# Altium PCB miniBackplane.PcbDoc (part 19 of 24)
Units mil, origin at the board's own origin, x right, y up, seen from the top; angles counter-clockwise.
Board outline 17285.63 x 8582.68 mil, 6 copper layers (Top Layer, Mid-Layer 1, GND, PWR, Mid-Layer 2, Bottom Layer), stack 62.362 mil thick; 519 components, 474 nets, 2434 pads, 1493 vias.
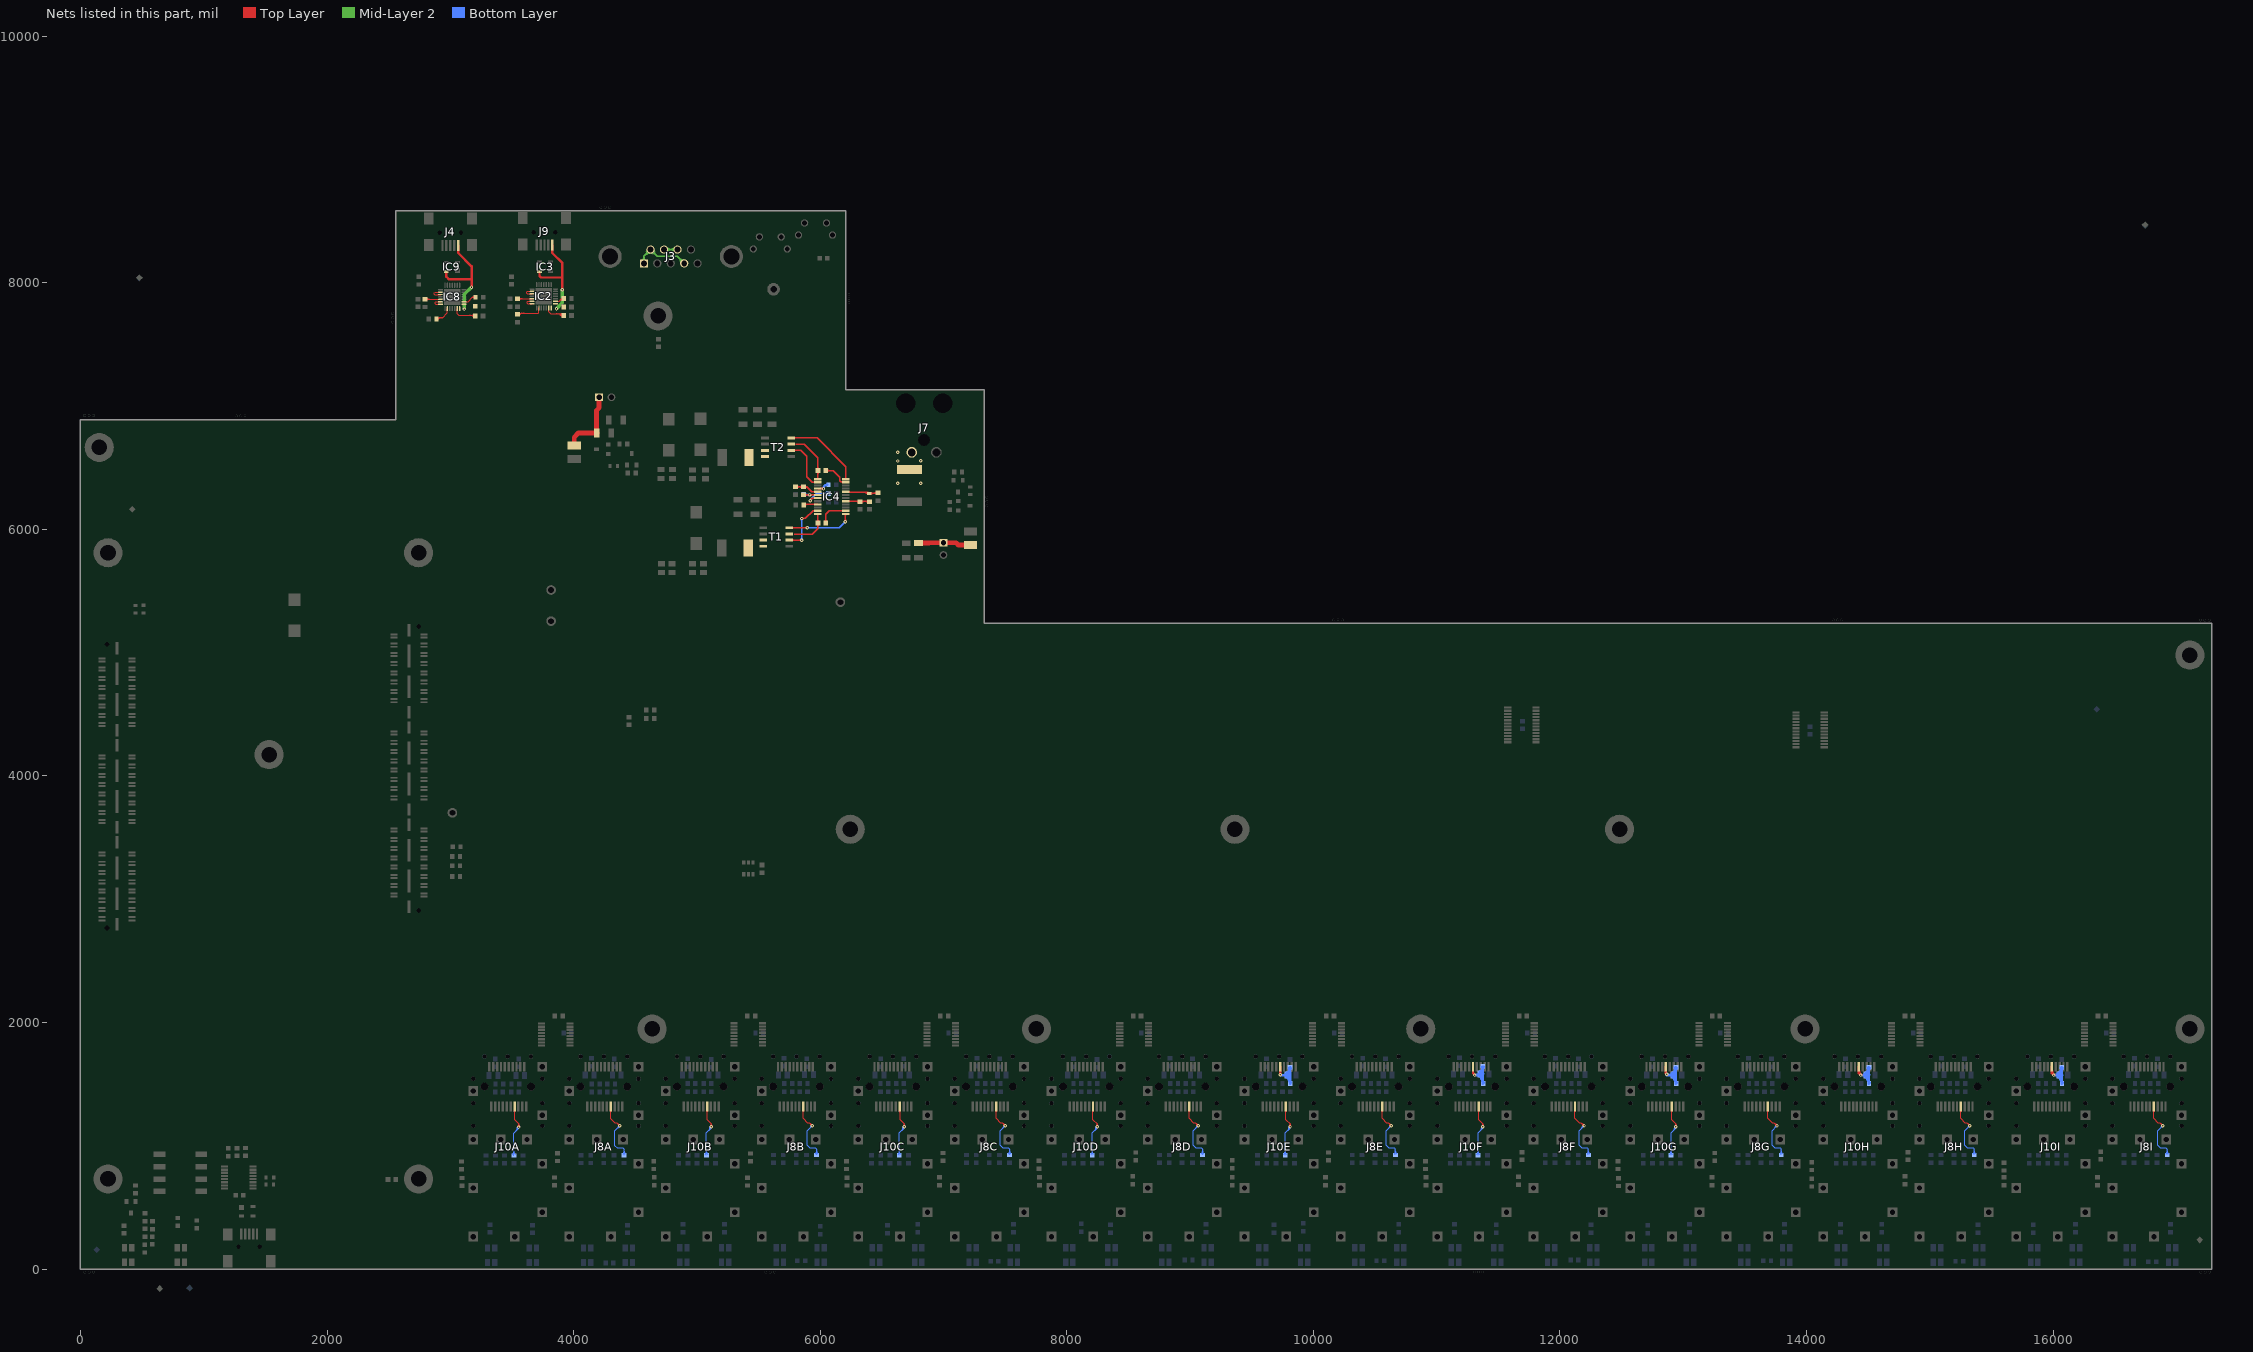
[diagram p23: the nets of this part, all layers, seen from the top]

## Via types
v1: diameter 27.56, hole 11.81, Top Layer to Bottom Layer, tented both sides, 1347 vias
v2: diameter 23.62, hole 11.81, Top Layer to Bottom Layer, tented both sides, 146 vias

## Nets (pads, with @x,y where several pads share a name; then routed paths per layer and width w, separated by ;. In a path a pad name is that pad's centre, name@x,y a point inside that pad or via, vN(x,y) a via of type N, cw(c..) or ccw(c..) an arc to the next point about the centre after c; other vN are vias at no path point) (continued)
NetC13E_1: C13E.1 C15E.2 J10E.15 L4E.1 | length 1124.5
  Top Layer w19.68: J10E.15@9730.39,1642.88 9730.39,1577.11 v1(9732.69,1574.81) ; 9730.39,1589.87 ccw(c9747.75,1589.87) 9735.48,1577.59 cw(c9747.75,1589.87) 9730.39,1589.87
  Bottom Layer w19.68: v1(9732.69,1574.81) 9733.88,1573.62 C15E.2@9799.63,1573.62 ; C15E.2@9797.88,1585.67 cw(c9818.06,1593.63) 9803.62,1609.82 ; C15E.2@9798,1564.27 ccw(c9829.48,1552.99) 9803.5,1531.94 ; C13E.1@9802.47,1632.7 cw(c9781.14,1620.38) 9804.93,1614 ; C13E.1@9806.12,1618.44 cw(c9823.64,1613.75) C13E.1@9814.57,1629.45 ; L4E.1@9811.13,1505.12 C13E.1@9811.13,1637.13 ; 9803.49,1529.45 ccw(c9830.59,1536.71) L4E.1@9816.56,1512.41 ; 9803.49,1529.45 ccw(c9830.59,1536.71) L4E.1@9816.56,1512.41 ; 9803.49,1529.45 ccw(c9830.59,1536.71) L4E.1@9816.56,1512.41 ; 9811.13,1615.74 ccw(c9789.74,1615.74) 9804.86,1630.86 cw(c9789.74,1615.74) 9811.13,1615.74 ; 9811.13,1615.74 cw(c9832.51,1615.74) 9817.39,1630.86 ccw(c9832.51,1615.74) 9811.13,1615.74 ; 9758.8,1573.62 ccw(c9758.8,1603.82) 9780.16,1582.47 cw(c9758.8,1603.82) 9758.8,1573.62 ; 9764.54,1573.62 cw(c9764.54,1551.54) 9780.16,1567.16 ccw(c9764.54,1551.54) 9764.54,1573.62 ; C15E.2@9781.45,1559.16 cw(c9739.16,1500.93) 9811.13,1500.93 ccw(c9739.16,1500.93) C15E.2@9781.45,1559.16 ; C15E.2@9782.94,1591.37 ccw(c9759.9,1637.12) C13E.1@9811.13,1637.13 cw(c9759.9,1637.12) C15E.2@9782.94,1591.37 ; C15E.2@9791.8,1573.79 ccw(c9775.99,1605.17) 9811.13,1605.17 cw(c9775.99,1605.17) C15E.2@9791.8,1573.79 ; C15E.2@9793.02,1575.09 cw(c9767.21,1539.56) 9811.13,1539.56 ccw(c9767.21,1539.56) C15E.2@9793.02,1575.09 ; C15E.2@9800.65,1556.21 ccw(c9792.09,1573.21) 9811.13,1573.21 cw(c9792.09,1573.21) C15E.2@9800.65,1556.21 ; C15E.2@9804.58,1591.02 cw(c9795.26,1578.18) 9811.13,1578.18 ccw(c9795.26,1578.18) C15E.2@9804.58,1591.02 ; 9811.13,1528.21 ccw(c9835.24,1528.21) 9818.19,1511.16 cw(c9835.24,1528.21) 9811.13,1528.21
NetC13F_1: C13F.1 C15F.2 J10F.15 L4F.1 | length 1112.9
  Top Layer w19.68: J10F.15@11294.96,1642.88 11294.96,1589.35 v1(11310.69,1573.62)
  Bottom Layer w19.68: v1(11310.69,1573.62) C15F.2@11364.2,1573.62 ; C15F.2@11354.93,1566.96 ccw(c11353.17,1592.02) 11377.44,1585.52 ; C15F.2@11364.22,1593.93 cw(c11379.49,1600.63) 11369.51,1613.99 ; C15F.2@11364.53,1572.24 ccw(c11407.9,1557.15) 11369.02,1532.72 ; C13F.1@11367.72,1638.57 cw(c11360.06,1628.3) 11372.44,1624.98 ; L4F.1@11375.69,1505.12 C13F.1@11375.69,1637.13 ; v1@11312.66,1577.03 ccw(c11322.82,1594.62) 11328.07,1575 ; v1@11312.66,1577.03 ccw(c11322.82,1594.62) 11328.07,1575 ; v1@11312.66,1577.03 ccw(c11322.82,1594.62) 11328.07,1575 ; 11368.47,1528.9 ccw(c11394.7,1535.93) L4F.1@11381.13,1512.41 ; 11368.47,1528.9 ccw(c11394.7,1535.93) L4F.1@11381.13,1512.41 ; 11368.47,1528.9 ccw(c11394.7,1535.93) L4F.1@11381.13,1512.41 ; v1@11322.92,1573.62 ccw(c11322.92,1607.18) 11346.65,1583.45 cw(c11322.92,1607.18) v1@11322.92,1573.62 ; 11333.42,1573.62 cw(c11333.42,1554.9) 11346.65,1568.14 ccw(c11333.42,1554.9) 11333.42,1573.62 ; C15F.2@11346.94,1567.86 cw(c11285.79,1501.96) 11375.69,1501.96 ccw(c11285.79,1501.96) C15F.2@11346.94,1567.86 ; C15F.2@11350.29,1599.63 ccw(c11335.32,1637.12) 11375.69,1637.12 cw(c11335.32,1637.12) C15F.2@11350.29,1599.63 ; C15F.2@11357.59,1581.35 ccw(c11346.92,1608.07) 11375.69,1608.07 cw(c11346.92,1608.07) C15F.2@11357.59,1581.35 ; C15F.2@11360.33,1582.29 cw(c11327.66,1547.08) 11375.69,1547.08 ccw(c11327.66,1547.08) C15F.2@11360.33,1582.29 ; C15F.2@11364.89,1563.07 ccw(c11358.53,1579.01) 11375.69,1579.01 cw(c11358.53,1579.01) C15F.2@11364.89,1563.07 ; C13F.1@11368.71,1639.41 cw(c11351.86,1622.56) 11375.69,1622.56 ccw(c11351.86,1622.56) C13F.1@11368.71,1639.41 ; C15F.2@11373.72,1596.72 cw(c11369.53,1592.2) 11375.69,1592.2 ccw(c11369.53,1592.2) C15F.2@11373.72,1596.72 ; 11375.69,1528.21 ccw(c11399.81,1528.21) 11382.76,1511.16 cw(c11399.81,1528.21) 11375.69,1528.21 ; 11375.69,1626.02 cw(c11394.63,1626.02) 11381.24,1639.41 ccw(c11394.63,1626.02) 11375.69,1626.02
NetC13G_1: C13G.1 C15G.2 J10G.15 L4G.1 | length 1162.2
  Top Layer w19.68: J10G.15@12859.96,1642.88 12859.96,1589.35 v1(12867.83,1581.49)
  Bottom Layer w19.68: v1@12867.83,1573.62 C15G.2@12929.2,1573.62 ; v1@12869,1577.73 cw(c12874.99,1558.6) 12885.01,1575.96 ; C15G.2@12927.38,1585.65 cw(c12947.59,1593.56) 12933.18,1609.79 ; C15G.2@12927.5,1564.29 ccw(c12959,1553.06) 12933.05,1531.96 ; C13G.1@12932.04,1632.7 cw(c12910.7,1620.38) 12934.5,1614 ; C13G.1@12935.69,1618.44 cw(c12953.21,1613.75) C13G.1@12944.14,1629.45 ; L4G.1@12940.69,1505.12 C13G.1@12940.69,1637.13 ; 12933.04,1529.46 ccw(c12960.17,1536.73) L4G.1@12946.13,1512.41 ; 12933.04,1529.46 ccw(c12960.17,1536.73) L4G.1@12946.13,1512.41 ; 12933.04,1529.46 ccw(c12960.17,1536.73) L4G.1@12946.13,1512.41 ; 12940.69,1615.74 ccw(c12919.31,1615.74) 12934.43,1630.86 cw(c12919.31,1615.74) 12940.69,1615.74 ; 12940.69,1615.74 cw(c12962.08,1615.74) 12946.96,1630.86 ccw(c12962.08,1615.74) 12940.69,1615.74 ; v1@12870.61,1584.27 ccw(c12896.32,1609.98) 12896.32,1573.62 cw(c12896.32,1609.98) v1@12870.61,1584.27 ; 12888.29,1573.62 ccw(c12888.29,1603.82) 12909.64,1582.47 cw(c12888.29,1603.82) 12888.29,1573.62 ; 12894.03,1573.62 cw(c12894.03,1551.54) 12909.64,1567.16 ccw(c12894.03,1551.54) 12894.03,1573.62 ; C15G.2@12910.95,1559.15 cw(c12868.79,1500.91) 12940.69,1500.91 ccw(c12868.79,1500.91) C15G.2@12910.95,1559.15 ; C15G.2@12912.45,1591.38 ccw(c12889.53,1637.12) C13G.1@12940.69,1637.13 cw(c12889.53,1637.12) C15G.2@12912.45,1591.38 ; C15G.2@12921.27,1573.78 ccw(c12905.5,1605.24) 12940.69,1605.24 cw(c12905.5,1605.24) C15G.2@12921.27,1573.78 ; C15G.2@12922.49,1575.1 cw(c12896.69,1539.46) 12940.69,1539.46 ccw(c12896.69,1539.46) C15G.2@12922.49,1575.1 ; C15G.2@12930.09,1556.18 ccw(c12921.48,1573.36) 12940.69,1573.36 cw(c12921.48,1573.36) C15G.2@12930.09,1556.18 ; C15G.2@12934.04,1591.04 cw(c12924.6,1578.01) 12940.69,1578.01 ccw(c12924.6,1578.01) C15G.2@12934.04,1591.04 ; 12940.69,1528.21 ccw(c12964.81,1528.21) 12947.76,1511.16 cw(c12964.81,1528.21) 12940.69,1528.21
NetC13H_1: C13H.1 C15H.2 J10H.15 L4H.1 | length 1179.2
  Top Layer w19.68: J10H.15@14424.96,1642.88 14424.96,1589.35 v1(14440.69,1573.62) ; J10H.15@14424.96,1621.11 ccw(c14488.18,1621.11) 14443.48,1576.41 cw(c14488.18,1621.11) J10H.15@14424.96,1621.11
  Bottom Layer w19.68: v1(14440.69,1573.62) C15H.2@14494.2,1573.62 ; C15H.2@14484.58,1559.07 ccw(c14483.58,1584.21) 14507.88,1577.7 ; C15H.2@14494.07,1586.22 cw(c14513.55,1595.16) 14498.51,1610.44 ; C15H.2@14494.28,1563.89 ccw(c14525.28,1551.45) 14498.56,1531.4 ; C13H.1@14497.04,1632.7 cw(c14475.7,1620.38) 14499.5,1614 ; C13H.1@14500.69,1618.44 cw(c14518.21,1613.75) C13H.1@14509.14,1629.45 ; L4H.1@14505.69,1505.12 C13H.1@14505.69,1637.13 ; 14498.31,1529.11 ccw(c14524.88,1536.23) L4H.1@14511.13,1512.41 ; 14498.31,1529.11 ccw(c14524.88,1536.23) L4H.1@14511.13,1512.41 ; 14498.31,1529.11 ccw(c14524.88,1536.23) L4H.1@14511.13,1512.41 ; 14505.69,1615.74 ccw(c14484.31,1615.74) 14499.43,1630.86 cw(c14484.31,1615.74) 14505.69,1615.74 ; 14505.69,1615.74 cw(c14527.08,1615.74) 14511.96,1630.86 ccw(c14527.08,1615.74) 14505.69,1615.74 ; 14455.22,1573.62 ccw(c14455.22,1603.82) 14476.57,1582.47 cw(c14455.22,1603.82) 14455.22,1573.62 ; 14460.96,1573.62 cw(c14460.96,1551.54) 14476.57,1567.16 ccw(c14460.96,1551.54) 14460.96,1573.62 ; C15H.2@14477.55,1559.4 cw(c14432.17,1501.55) 14505.69,1501.55 ccw(c14432.17,1501.55) C15H.2@14477.55,1559.4 ; C15H.2@14478.89,1591.12 ccw(c14452.81,1637.12) C13H.1@14505.69,1637.13 cw(c14452.81,1637.12) C15H.2@14478.89,1591.12 ; C15H.2@14488.6,1573.99 ccw(c14471.96,1603.34) 14505.69,1603.34 cw(c14471.96,1603.34) C15H.2@14488.6,1573.99 ; C15H.2@14489.7,1574.89 cw(c14463.91,1542.01) 14505.69,1542.01 ccw(c14463.91,1542.01) C15H.2@14489.7,1574.89 ; C15H.2@14498.3,1556.87 ccw(c14491.12,1569.55) 14505.69,1569.55 cw(c14491.12,1569.55) C15H.2@14498.3,1556.87 ; C15H.2@14501.84,1590.38 cw(c14495.64,1582.47) 14505.69,1582.47 ccw(c14495.64,1582.47) C15H.2@14501.84,1590.38 ; 14505.69,1528.21 ccw(c14529.81,1528.21) 14512.76,1511.16 cw(c14529.81,1528.21) 14505.69,1528.21
NetC13I_1: C13I.1 C15I.2 J10I.15 L4I.1 | length 1253.3
  Top Layer w19.68: J10I.15@15989.96,1642.88 15989.96,1589.35 v1(16005.69,1573.62) ; J10I.15@15989.96,1621.11 ccw(c16053.18,1621.11) 16008.48,1576.41 cw(c16053.18,1621.11) J10I.15@15989.96,1621.11
  Bottom Layer w19.68: v1(16005.69,1573.62) C15I.2@16059.2,1573.62 ; C15I.2@16048.72,1590.55 cw(c16047.39,1563.83) 16073.23,1570.75 ; C15I.2@16058.24,1585.94 cw(c16078.07,1594.39) 16063.35,1610.12 ; C15I.2@16058.41,1564.08 ccw(c16089.63,1552.24) 16063.31,1531.69 ; C13I.1@16062.04,1632.7 cw(c16040.7,1620.38) 16064.5,1614 ; C13I.1@16065.69,1618.44 cw(c16083.21,1613.75) C13I.1@16074.14,1629.45 ; L4I.1@16070.69,1505.12 C13I.1@16070.69,1637.13 ; v1@16007.66,1577.03 ccw(c16018.41,1595.66) 16023.98,1574.88 ; v1@16007.66,1577.03 ccw(c16018.41,1595.66) 16023.98,1574.88 ; v1@16007.66,1577.03 ccw(c16018.41,1595.66) 16023.98,1574.88 ; 16063.18,1529.28 ccw(c16090.02,1536.47) L4I.1@16076.13,1512.41 ; 16063.18,1529.28 ccw(c16090.02,1536.47) L4I.1@16076.13,1512.41 ; 16063.18,1529.28 ccw(c16090.02,1536.47) L4I.1@16076.13,1512.41 ; 16070.69,1615.74 ccw(c16049.31,1615.74) 16064.43,1630.86 cw(c16049.31,1615.74) 16070.69,1615.74 ; 16070.69,1615.74 cw(c16092.08,1615.74) 16076.96,1630.86 ccw(c16092.08,1615.74) 16070.69,1615.74 ; v1@16019.27,1573.62 ccw(c16019.27,1603.82) 16040.63,1582.47 cw(c16019.27,1603.82) v1@16019.27,1573.62 ; 16025.02,1573.62 cw(c16025.02,1551.54) 16040.63,1567.16 ccw(c16025.02,1551.54) 16025.02,1573.62 ; C15I.2@16041.77,1559.28 cw(c15998.02,1501.24) 16070.69,1501.24 ccw(c15998.02,1501.24) C15I.2@16041.77,1559.28 ; C15I.2@16043.18,1591.25 ccw(c16018.69,1637.12) C13I.1@16070.69,1637.13 cw(c16018.69,1637.12) C15I.2@16043.18,1591.25 ; C15I.2@16052.46,1573.89 ccw(c16036.22,1604.3) 16070.69,1604.3 cw(c16036.22,1604.3) C15I.2@16052.46,1573.89 ; C15I.2@16053.62,1574.99 cw(c16027.79,1540.73) 16070.69,1540.73 ccw(c16027.79,1540.73) C15I.2@16053.62,1574.99 ; C15I.2@16061.73,1556.52 ccw(c16053.74,1571.47) 16070.69,1571.47 cw(c16053.74,1571.47) C15I.2@16061.73,1556.52 ; C15I.2@16065.47,1590.71 cw(c16057.56,1580.23) 16070.69,1580.23 ccw(c16057.56,1580.23) C15I.2@16065.47,1590.71 ; 16070.69,1528.21 ccw(c16094.81,1528.21) 16077.76,1511.16 cw(c16094.81,1528.21) 16070.69,1528.21
NetC16_2: C16.2 IC2.7 IC2.8 IC3.4 J9.1 | length 797.3
  Top Layer w19.68: IC3.4@3723.39,8092.46 3723.39,8054.4 3735.42,8042.37 3908.65,8042.37 ; J9.1@3826.85,8305.92 3826.85,8242.28 3908.65,8160.48 3908.65,8042.37 ; v1(3908.65,7943.94) 3908.65,8042.37
  Mid-Layer 2 w27.56: v1(3861.4,7790.4) 3908.65,7837.65 v1(3908.65,7943.94)
NetC17_1: C17.1 IC2.6 | length 515.1
  Top Layer w7.87: IC2.6@3798.03,7795.37 3798.03,7763.22 3814.16,7747.09 3908.65,7747.09 C17.1@3920.46,7735.28 ; 3886.89,7739.86 ccw(c3895.1,7753.4) C17.1@3908.22,7744.53 ; 3893.96,7735.57 ccw(c3901.96,7748.76) C17.1@3914.75,7740.12 ; 3894.89,7743.35 ccw(c3900.56,7753.17) C17.1@3909.21,7745.83 ; 3900.18,7740.29 cw(c3893.71,7729.1) C17.1@3906.2,7732.45 ; 3901.03,7731.28 ccw(c3908.82,7744.13) C17.1@3921.27,7735.72 ; 3858.68,7747.09 cw(c3858.68,7674.49) 3910.02,7725.83 ccw(c3858.68,7674.49) 3858.68,7747.09 ; 3877.68,7747.09 cw(c3877.68,7693.5) 3915.58,7731.4 ccw(c3877.68,7693.5) 3877.68,7747.09 ; 3896.69,7747.09 cw(c3896.69,7712.51) 3921.15,7736.96 ccw(c3896.69,7712.51) 3896.69,7747.09
NetC25_1: C25.1 IC4.24 L5.1 T1.3 T1.7 T1.8 | length 524.3
  Top Layer w11.81: 5788.88,5960.91 5937.24,5960.91 5979.65,6003.33 IC4.24@5979.65,6125.19 ; C25.1@5973.28,6040.91 cw(c5957.9,6025.53) 5979.65,6025.53 ccw(c5957.9,6025.53) C25.1@5973.28,6040.91 ; C25.1@5973.28,6060.97 ccw(c5957.9,6076.35) 5979.65,6076.35 cw(c5957.9,6076.35) C25.1@5973.28,6060.97 ; 5979.65,6012.6 cw(c6019.68,6012.6) 5991.38,6040.91 ccw(c6019.68,6012.6) 5979.65,6012.6 ; 5979.65,6089.27 ccw(c6019.68,6089.27) 5991.38,6060.97 cw(c6019.68,6089.27) 5979.65,6089.27
NetC25_2: C25.2 IC4.2 | length 343.9
  Top Layer w11.81: C25.2@6045.32,6050.94 6045.32,6124 6072.1,6150.78 IC4.2@6208,6150.78 ; 6045.32,6082.81 ccw(c6076.21,6082.81) 6054.37,6060.97 cw(c6076.21,6082.81) 6045.32,6082.81 ; 6045.32,6082.81 cw(c6014.43,6082.81) 6036.28,6060.97 ccw(c6014.43,6082.81) 6045.32,6082.81
NetC31_1: C31.1 IC4.19 | length 426.2
  Top Layer w11.81: v1@5919.2,6237.87 5934.46,6253.14 ; IC4.19@5979.65,6253.14 5934.46,6253.14 ; 5934.46,6253.14 ccw(c5952.49,6235.11) 5927.05,6233.4 cw(c5952.49,6235.11) 5934.46,6253.14
  Bottom Layer w11.81: v1@5919.2,6237.87 5972.26,6290.94 C31.1@6067.33,6290.94 ; 6036.44,6290.94 ccw(c6036.44,6321.83) 6058.28,6299.98 cw(c6036.44,6321.83) 6036.44,6290.94 ; 6036.44,6290.94 cw(c6036.44,6260.05) 6058.28,6281.89 ccw(c6036.44,6260.05) 6036.44,6290.94 ; v1@5927.07,6232.87 cw(c5958.15,6232.87) 5936.17,6254.85 ccw(c5958.15,6232.87) v1@5927.07,6232.87
  other v1: 5919.2,6232.87
NetC33_2: C33.2 IC4.18 R39.1 | length 591.2
  Top Layer w11.81: R39.1@5866.84,6278.73 v1(5915.06,6278.73) IC4.18@5979.65,6278.73 ; 5896.05,6278.73 ccw(c5896.05,6297.74) 5909.49,6284.3 cw(c5896.05,6297.74) 5896.05,6278.73 ; 5896.05,6278.73 cw(c5896.05,6259.72) 5909.49,6273.16 ccw(c5896.05,6259.72) 5896.05,6278.73 ; 5934.06,6278.73 ccw(c5934.06,6259.72) 5920.62,6273.16 cw(c5934.06,6259.72) 5934.06,6278.73 ; 5934.06,6278.73 cw(c5934.06,6297.74) 5920.62,6284.3 ccw(c5934.06,6297.74) 5934.06,6278.73 ; R39.1@5874.52,6273.03 cw(c5888.29,6259.25) 5888.29,6278.73 ccw(c5888.29,6259.25) R39.1@5874.52,6273.03 ; R39.1@5874.52,6289.73 ccw(c5901.07,6316.28) 5901.07,6278.73 cw(c5901.07,6316.28) R39.1@5874.52,6289.73
  Bottom Layer w11.81: C33.2@5869.83,6278.73 v1(5915.06,6278.73) ; 5889.42,6282.69 ccw(c5896.82,6310.32) v1@5911.12,6285.55 ; 5889.42,6282.69 ccw(c5896.82,6310.32) v1@5911.12,6285.55 ; 5889.42,6282.69 ccw(c5896.82,6310.32) v1@5911.12,6285.55 ; 5896.05,6278.73 ccw(c5896.05,6297.74) 5909.49,6284.3 cw(c5896.05,6297.74) 5896.05,6278.73 ; 5896.05,6278.73 cw(c5896.05,6259.72) 5909.49,6273.16 ccw(c5896.05,6259.72) 5896.05,6278.73 ; C33.2@5874.74,6272.84 cw(c5888.96,6258.62) 5888.96,6278.73 ccw(c5888.96,6258.62) C33.2@5874.74,6272.84 ; C33.2@5874.74,6290.94 ccw(c5904.21,6320.4) 5904.21,6278.73 cw(c5904.21,6320.4) C33.2@5874.74,6290.94
NetC38_1: C38.1 IC4.13 L6.1 T2.3 T2.7 T2.8 | length 590.2
  Top Layer w11.81: 5803.51,6689.26 5872.81,6689.26 5979.65,6582.42 IC4.13@5979.65,6406.68 ; C38.1@5973.28,6465.91 cw(c5957.9,6450.53) 5979.65,6450.53 ccw(c5957.9,6450.53) C38.1@5973.28,6465.91 ; C38.1@5973.28,6485.97 ccw(c5957.9,6501.35) 5979.65,6501.35 cw(c5957.9,6501.35) C38.1@5973.28,6485.97 ; 5979.65,6437.6 cw(c6019.68,6437.6) 5991.38,6465.91 ccw(c6019.68,6437.6) 5979.65,6437.6 ; 5979.65,6514.27 ccw(c6019.68,6514.27) 5991.38,6485.97 cw(c6019.68,6514.27) 5979.65,6514.27
NetC38_2: C38.2 IC4.11 | length 339.4
  Top Layer w11.81: C38.2@6045.32,6475.94 6106.13,6475.94 6159.2,6422.87 6159.2,6392.87 6168.02,6384.05 IC4.11@6205.05,6384.05 ; 6076.21,6475.94 ccw(c6076.21,6445.05) 6054.37,6466.89 cw(c6076.21,6445.05) 6076.21,6475.94 ; 6076.21,6475.94 cw(c6076.21,6506.83) 6054.37,6484.98 ccw(c6076.21,6506.83) 6076.21,6475.94 ; 6173.07,6384.05 cw(c6173.07,6366.84) 6185.24,6379.01 ccw(c6173.07,6366.84) 6173.07,6384.05
NetC43_1: C43.1 J11.1 R62.2 | length 430.2
  Top Layer w39.37: C43.1@6798,5889.06 6882.06,5889.06 6884.59,5891.59 J11.1@7000,5891.59 7102.41,5891.59 7122.12,5871.88 R62.2@7219,5871.88
NetC45_1: C45.1 J5.1 R63.2 | length 564.6
  Top Layer w39.37: R63.2@4005,6680.12 4005,6747 4040,6782 C45.1@4188.94,6782 4186.76,6784.19 4186.76,6965.76 4207,6986 J5.1@4207,7072
NetC56_2: C56.2 IC8.7 IC8.8 IC9.4 J4.1 | length 843
  Top Layer w7.87: v1(3172,7965) v1@3173,7966
  Top Layer w19.68: IC9.4@2966.72,8091.6 2966.72,8049.28 2989,8027 3173,8027 ; J4.1@3062.99,8301.92 3062.99,8243.01 3173,8133 3173,8027 ; v1@3173,7966 3173,8027
  Mid-Layer 2 w27.56: v1(3114.43,7786.57) 3114.43,7907.43 v1(3172,7965)
NetC57_1: C57.1 IC8.6 | length 358
  Top Layer w7.87: IC8.6@3055.37,7790.51 3055.37,7747.63 3068,7735 3198.5,7735 C57.1@3203.5,7740 ; 3157.17,7735 cw(c3157.17,7685.65) 3192.06,7720.54 ccw(c3157.17,7685.65) 3157.17,7735 ; 3176.18,7735 cw(c3176.18,7704.66) 3197.63,7726.11 ccw(c3176.18,7704.66) 3176.18,7735 ; 3176.56,7735 ccw(c3176.56,7756.93) 3192.06,7741.42 cw(c3176.56,7756.93) 3176.56,7735
NetD1_2: D1.2 J7.1 | length 67.9
  Top Layer w39.37: D1.2@6724.08,6496.35 D1.2@6791.95,6496.35
  other v1: 6629.08,6373.94 6814.68,6374.3 6629.08,6553.94 6814.68,6555.4 6629.08,6623.94
NetIC2_2: IC2.2 R32.1 | length 383.9
  Top Layer w7.87: R32.1@3554.31,7751.03 3711.8,7751.03 3719.29,7758.53 IC2.2@3719.29,7795.37 ; R32.1@3560.33,7750.08 ccw(c3565.3,7752.96) 3568.18,7747.98 ; R32.1@3561.72,7739.59 cw(c3575.04,7736.02) 3568.15,7747.97 ; R32.1@3552.59,7738.98 cw(c3581.68,7709.89) 3581.68,7751.03 ccw(c3581.68,7709.89) R32.1@3552.59,7738.98 ; R32.1@3558.15,7733.41 cw(c3600.69,7690.88) 3600.69,7751.03 ccw(c3600.69,7690.88) R32.1@3558.15,7733.41
NetIC2_9: IC2.9 R31.2 | length 312.8
  Top Layer w7.87: IC2.9@3853.15,7850.49 3882.12,7850.49 ; R31.2@3904.74,7858.55 ccw(c3906.76,7875.02) R31.2@3922.35,7869.36 ; R31.2@3920.46,7869.14 3900.77,7869.14 ; 3882.12,7850.49 cw(c3903.84,7828.76) 3915.35,7857.25 ccw(c3903.84,7828.76) 3882.12,7850.49 ; 3882.12,7850.49 3900.77,7869.14 ; 3900.77,7869.14 ccw(c3900.77,7875.97) 3907.31,7874 cw(c3900.77,7875.97) 3900.77,7869.14 ; 3900.77,7869.14 cw(c3900.77,7861.37) 3907.89,7864.49 ccw(c3900.77,7861.37) 3900.77,7869.14 ; 3890.53,7858.9 cw(c3908.68,7840.75) 3918.29,7864.56 ccw(c3908.68,7840.75) 3890.53,7858.9 ; 3898.95,7867.32 cw(c3913.52,7852.74) 3921.24,7871.86 ccw(c3913.52,7852.74) 3898.95,7867.32
NetIC2_23: IC2.23 IC2.24 | length 104.6
  Top Layer w7.87: IC2.24@3663.86,7909.86 3623.66,7909.86 3618.66,7914.86 3618.66,7924.86 3623.03,7929.23 IC2.23@3664.17,7929.23
NetIC2_26: IC2.26 R33.1 | length 222.2
  Top Layer w7.87: R33.1@3546.44,7870.17 IC2.26@3664.17,7870.17 ; R33.1@3558.15,7859.4 cw(c3584.17,7833.38) 3584.17,7870.17 ccw(c3584.17,7833.38) R33.1@3558.15,7859.4 ; R33.1@3558.15,7878.89 ccw(c3579.19,7899.92) 3579.19,7870.17 cw(c3579.19,7899.92) R33.1@3558.15,7878.89
NetIC2_27: IC2.27 IC2.28 | length 107
  Top Layer w7.87: IC2.28@3663.23,7829.86 3628.66,7829.86 3623.66,7834.86 3623.66,7844.86 3629.29,7850.49 IC2.27@3664.17,7850.49 ; 3642.38,7829.86 ccw(c3642.38,7837.84) 3648.02,7832.2 cw(c3642.38,7837.84) 3642.38,7829.86
NetIC4_1: IC4.1 T1.4 | length 856.7
  Top Layer w11.81: T1.4@5750.5,6012.87 v1(5894.2,6012.87) ; v1(6204.2,6062.87) IC4.1@6204.2,6121.39 ; IC4.1@6205.52,6123.59 cw(c6198.98,6119.4) 6205.71,6115.51 ; 5783.45,6012.87 ccw(c5783.45,5998.62) 5773.37,6008.7 cw(c5783.45,5998.62) 5783.45,6012.87 ; 5783.45,6012.87 cw(c5783.45,6027.13) 5773.37,6017.05 ccw(c5783.45,6027.13) 5783.45,6012.87 ; 5875.19,6012.87 ccw(c5875.19,6031.88) 5888.63,6018.44 cw(c5875.19,6031.88) 5875.19,6012.87 ; 5875.19,6012.87 cw(c5875.19,5993.86) 5888.63,6007.31 ccw(c5875.19,5993.86) 5875.19,6012.87 ; 6204.2,6081.88 ccw(c6223.21,6081.88) 6209.76,6068.44 cw(c6223.21,6081.88) 6204.2,6081.88 ; 6204.2,6081.88 cw(c6185.19,6081.88) 6198.63,6068.44 ccw(c6185.19,6081.88) 6204.2,6081.88 ; 6204.2,6108.88 cw(c6224.31,6108.88) 6210.09,6123.1 ccw(c6224.31,6108.88) 6204.2,6108.88
  Bottom Layer w11.81: v1(5894.2,6012.87) 6154.2,6012.87 v1(6204.2,6062.87) ; 5913.21,6012.87 ccw(c5913.21,5993.86) 5899.76,6007.31 cw(c5913.21,5993.86) 5913.21,6012.87 ; 5913.21,6012.87 cw(c5913.21,6031.88) 5899.76,6018.44 ccw(c5913.21,6031.88) 5913.21,6012.87 ; 6190.76,6049.43 ccw(c6177.31,6062.87) 6196.32,6062.87 cw(c6177.31,6062.87) 6190.76,6049.43 ; 6190.76,6049.43 cw(c6204.2,6035.99) 6204.2,6055 ccw(c6204.2,6035.99) 6190.76,6049.43
NetIC4_5: IC4.5 R35.1 R36.1 | length 449.4
  Top Layer w11.81: IC4.5@6208,6227.55 R35.1@6388.71,6227.55 ; 6286.03,6227.55 cw(c6286.03,6188.18) 6313.88,6216.02 ccw(c6286.03,6188.18) 6286.03,6227.55 ; 6301.39,6227.55 ccw(c6301.39,6245.2) 6313.88,6232.72 cw(c6301.39,6245.2) 6301.39,6227.55 ; R36.1@6334.52,6216.02 cw(c6362.36,6188.18) 6362.36,6227.55 ccw(c6362.36,6188.18) R36.1@6334.52,6216.02 ; R36.1@6334.52,6232.72 ccw(c6347,6245.2) 6347,6227.55 cw(c6347,6245.2) R36.1@6334.52,6232.72 ; 6361.03,6227.55 cw(c6361.03,6188.18) 6388.88,6216.02 ccw(c6361.03,6188.18) 6361.03,6227.55 ; 6376.39,6227.55 ccw(c6376.39,6245.2) 6388.88,6232.72 cw(c6376.39,6245.2) 6376.39,6227.55
NetIC4_8: IC4.8 R38.2 R40.2 | length 907.2
  Top Layer w7.87: R38.2@6401.3,6291.62 R40.2@6468.23,6291.62 ; R38.2@6407.1,6296.11 ccw(c6417.83,6308.69) 6422.11,6292.72 ; R38.2@6407.1,6296.11 ccw(c6417.83,6308.69) 6422.11,6292.72 ; R38.2@6407.1,6296.11 ccw(c6417.83,6308.69) 6422.11,6292.72 ; R38.2@6412.21,6302.1 ccw(c6429.63,6322.52) 6436.57,6296.6 ; R38.2@6412.21,6302.1 ccw(c6429.63,6322.52) 6436.57,6296.6 ; R38.2@6412.21,6302.1 ccw(c6429.63,6322.52) 6436.57,6296.6 ; 6415.2,6284.73 cw(c6432.74,6274.61) 6427.5,6294.17 ; 6415.2,6284.73 cw(c6432.74,6274.61) 6427.5,6294.17 ; 6415.2,6284.73 cw(c6432.74,6274.61) 6427.5,6294.17 ; 6436.53,6291.62 ccw(c6436.53,6258.36) 6413.01,6281.88 cw(c6436.53,6258.36) 6436.53,6291.62 ; 6436.53,6291.62 cw(c6436.53,6324.89) 6413.01,6301.37 ccw(c6436.53,6324.89) 6436.53,6291.62 ; 6418,6291.62 ccw(c6418,6341.53) 6453.29,6306.24 cw(c6418,6341.53) 6418,6291.62 ; 6437.01,6291.62 ccw(c6437.01,6322.52) 6458.86,6300.67 cw(c6437.01,6322.52) 6437.01,6291.62 ; 6441.53,6291.62 cw(c6441.53,6275) 6453.29,6286.75 ccw(c6441.53,6275) 6441.53,6291.62